# Altium PCB Copy of master.PcbDoc (part 4 of 7)
Units mm, origin at the board's own origin, x right, y up, seen from the top; angles counter-clockwise.
Board outline 160 x 120 mm, 6 copper layers (Top Signal, Top GND, Inner PWR, Inner Signal, Bottom GND, Bottom Signal), stack 1.571 mm thick; 553 components, 452 nets, 2073 pads, 879 vias.
Unrouted connection lines stored in the file: 269.
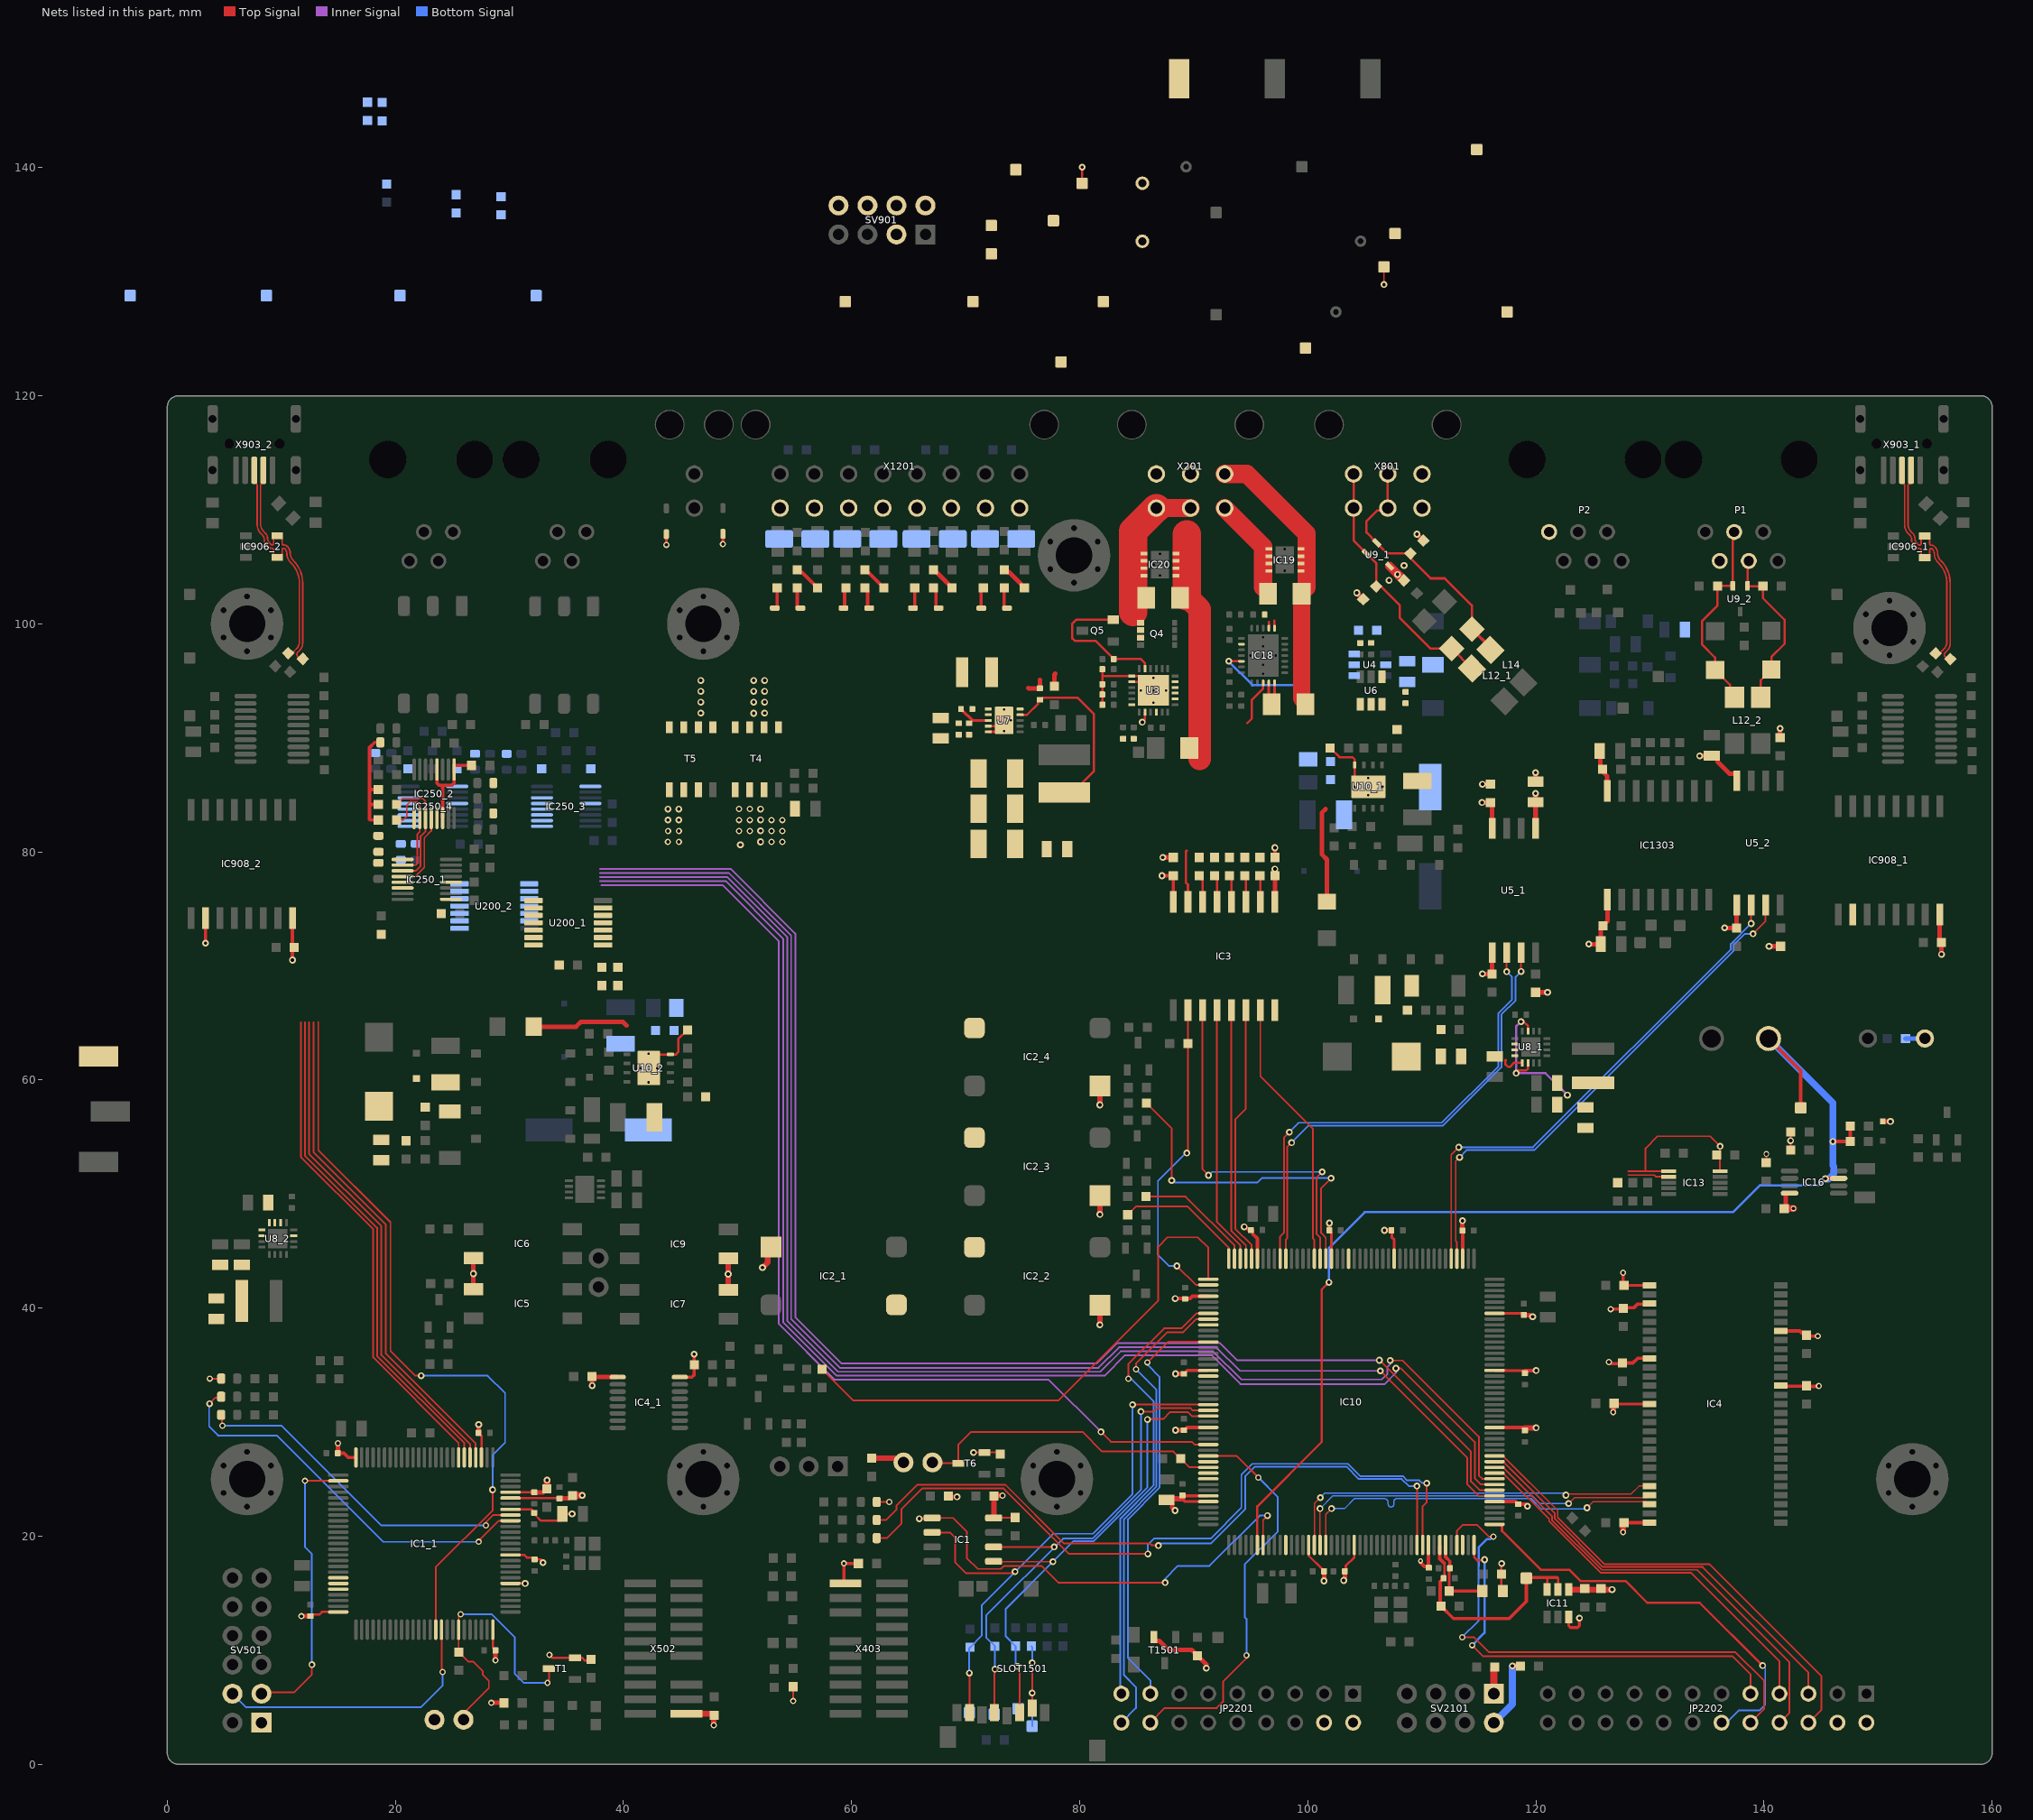
[diagram p8: the nets of this part, all layers, seen from the top]

## Via types
v1: diameter 0.6, hole 0.3, Top Signal to Bottom Signal, 679 vias
v2: diameter 0.55, hole 0.3, Top Signal to Bottom Signal, tented both sides, 125 vias
v3: diameter 0.45, hole 0.2, Top Signal to Bottom Signal, 31 vias
v4: diameter 0.5, hole 0.2, Top Signal to Bottom Signal, 16 vias
v5: diameter 0.5, hole 0.3, Top Signal to Bottom Signal, tented both sides, 13 vias
v6: diameter 0.55, hole 0.3, Top Signal to Bottom Signal, 10 vias
v7: diameter 0.6, hole 0.3, Top Signal to Bottom Signal, tented both sides, 4 vias
v8: diameter 0.5, hole 0.3, Top Signal to Bottom Signal, 1 vias

## Nets (pads, with @x,y where several pads share a name; then routed paths per layer and width w, separated by ;. In a path a pad name is that pad's centre, name@x,y a point inside that pad or via, vN(x,y) a via of type N, cw(c..) or ccw(c..) an arc to the next point about the centre after c; other vN are vias at no path point) (continued)
+3.3V_0: C6.1 C7_1.1 C37.2 C41.1 C42.1 C46.2 C48.1 C49.1 C52.1 C53.1 C54.1 C58.1 C62.1 C63.1 C64.1 C69.1 C74.1 C78.1 C80.1 C83.2 C84.1 C85.1 C86.1 C87.1 C92_1.2 C92_2.2 C93_1.2 C93_2.2 C96.1 C98.1 C99.1 C100.1 C101.1 C104.1 C105.1 C108.1 C119.1 C120.1 C200_1.2 C250_1.2 C250_2.2 C251_1.2 C251_2.2 C1303.1 D10.1 IC1.8 IC2_1.1 IC2_2.1 IC2_3.1 IC2_4.1 IC3.16 IC4.1 IC4.3 IC4.9 IC4.14 IC4.27 IC4.43 IC4.49 IC4_1.16 IC7.4 IC9.1 IC10.15 IC10.23 IC10.36 IC10.49 IC10.62 IC10.72 IC10.82 IC10.91 IC10.103 IC10.114 IC10.127 IC10.136 IC10.149 IC10.159 IC10.171 IC10.172 IC11.3 IC11.4 IC13.2 IC16.8 IC250_1.6 IC250_1.9 IC250_1.12 IC250_2.6 IC250_2.9 IC250_2.12 IC908_1.10 IC908_1.16 IC1303.1 JP200_1.2 JP201_1.2 JP202_1.2 JP203_1.2 JP2201.2 JP2201.4 JP2202.2 JP2202.4 L15.1 LED3.2 R27.2 R40.2 R41.2 R46.2 R68.1 R70.2 R72.2 R73.2 R200_1.2 R201_1.2 R202_1.2 R1501.2 SV2101.2 T6.2 T1501.2 TPi3.3v0.1 U5_1.1 U5_2.1 U200_1.14 X402.1 X403.1 | length 177.1
  Top Signal w0.15: v1(106.676,129.743) TPi3.3v0.1@106.676,131.307 ; 128.086,51.666 130.381,51.666 130.532,51.515 IC13.2@131.626,51.515 ; R70.2@140.179,52.742 140.21,52.772 v5(140.21,53.511) ; C108.1@141.762,48.73 C108.1@141.873,48.841 ; IC16.8@141.896,49.935 142.034,50.074 IC16.8@142.24,50.074 ; R72.2@142.343,53.867 142.346,53.87 R73.2@142.346,55.448
  Top Signal w0.152: v2(54.88,5.542) R27.2@54.88,6.756 ; LED3.2@62.25,23.004 v2(63.294,23.004) ; v1(70.691,27.34) 71.559,27.34 71.603,27.384 T6.2@71.647,27.34 72.887,27.34 R41.2@73.037,27.19 ; IC1.8@72.455,21.599 72.485,21.629 72.492,21.636 R46.2@74.331,21.636
  Top Signal w0.2: IC10.15@100.072,19.234 100.092,19.215 100.092,18.275 101.267,17.099 101.275,17.099 101.425,16.949 C62.1@101.425,16.924 C62.1@101.422,16.921 ; C64.1@103.333,16.835 103.333,17.409 104.072,18.148 IC10.23@104.072,19.234 ; C78.1@113.554,46.796 C78.1@113.572,46.778 ; v1@116.992,17.628 116.98,17.615 C80.1@116.98,16.662 116.98,15.1 L15.1@117.018,15.062
  Top Signal w0.25: 88.789,23.329 88.994,23.534 IC10.171@91.273,23.534 ; C49.1@88.885,34.239 89.005,34.119 89.42,34.534 IC10.149@91.273,34.534 ; 88.99,23.28 89.236,23.034 IC10.172@91.273,23.034 ; C63.1@101.887,46.817 102.072,46.632 IC10.114@102.072,44.334 ; C69.1@107.225,46.739 107.362,46.602 107.362,46.202 107.573,45.992 IC10.103@107.573,44.334 ; IC10.72@116.372,34.534 117.374,34.534 117.387,34.521 C87.1@119.024,34.521 ; IC10.82@116.372,39.534 C85.1@118.941,39.534 ; IC11.3@122.879,12.932 122.879,12.132 123.025,11.985 123.66,11.985 123.806,12.132 123.806,12.799 v1(123.82,12.813) v1@123.834,12.827 ; C98.1@126.788,31.596 126.796,31.596 IC4.14@129.966,31.596 ; C101.1@127.645,41.996 IC4.1@129.966,41.996
  Top Signal w0.3: 17.73,82.852 17.73,84.109 17.772,84.15 R201_1.2@18.504,84.15 ; 17.73,84.191 17.73,85.528 ; 17.789,82.793 R200_1.2@18.504,82.793 ; C251_2.2@18.504,85.459 17.799,85.459 17.73,85.528 ; JP202_1.2@18.68,89.606 18.18,89.606 17.73,89.157 17.73,85.528 ; IC250_2.12@23.643,87.219 23.643,86.026 23.819,85.85 24.143,85.85 ; IC250_2.6@24.143,82.969 24.143,85.85 ; C250_2.2@26.682,87.585 25.143,87.585 IC250_2.9@25.143,87.219 25.143,86.026 24.968,85.85 24.143,85.85 ; IC4_1.16@44.94,33.947 46,33.947 46.2,34.147 C37.2@46.2,35.027 v1(46.2,35.963) v1@46.204,35.966 ; v1(88.375,40.839) 89.681,40.839 89.876,41.034 IC10.136@91.273,41.034 ; C54.1@89.138,29.291 89.163,29.291 89.406,29.534 IC10.159@91.273,29.534 ; v1(94.422,47.124) 94.495,47.052 94.593,47.052 94.82,46.826 94.999,46.826 C58.1@95.012,46.84 ; C58.1@95.165,46.865 95.165,46.502 95.572,46.094 IC10.127@95.572,44.334 ; v3(109.889,17.825) 109.889,17.67 110.211,17.348 110.499,17.348 C74.1@110.572,17.275 ; C74.1@110.572,17.221 C74.1@110.572,17.275 ; IC10.36@110.572,19.234 C74.1@110.572,17.275 ; C74.1@110.612,17.236 C74.1@110.572,17.275 ; IC10.91@113.572,44.334 C78.1@113.572,46.778 ; IC10.49@116.372,23.034 118.225,23.034 C84.1@118.452,22.807 119.066,22.807 v1(119.248,22.625) ; IC10.62@116.372,29.534 v1@120.017,29.534 ; C87.1@119.024,34.521 v1(120.017,34.521) ; v2(126.386,35.268) 126.386,35.186 126.437,35.135 C104.1@127.481,35.135 ; v2(126.549,39.909) C105.1@127.66,39.909 ; v2(126.771,30.886) v2@126.796,30.861 ; C98.1@126.78,31.644 C98.1@126.796,31.628 ; C104.1@127.445,35.099 C104.1@127.481,35.135 ; C104.1@127.575,35.163 127.548,35.135 C104.1@127.481,35.135 ; C100.1@127.645,21.196 IC4.27@129.966,21.196 ; C101.1@127.645,41.996 v2(127.645,43.107) ; C105.1@127.742,39.899 127.87,40.027 128.585,40.027 128.916,40.357 129.928,40.357 IC4.3@129.966,40.396 ; IC4.9@129.966,35.596 128.912,35.596 128.5,35.184 127.529,35.184 C104.1@127.481,35.135 ; IC4.43@141.466,33.196 141.507,33.155 143.442,33.155 C119.1@143.482,33.196 ; IC4.49@141.466,37.996 143.142,37.996 143.595,37.542 143.642,37.542 143.645,37.544 144.701,37.544 v2(144.704,37.542) ; C119.1@143.711,33.114 143.736,33.139 144.781,33.139 v2(144.805,33.164)
  Top Signal w0.305: X403.1@59.465,15.861 59.325,16 v2(59.325,17.607) C41.1@60.589,17.607 C41.1@60.664,17.607
  Top Signal w0.4: R40.2@68.39,23.532 R40.2@68.491,23.532 68.578,23.444 v1(69.24,23.444) ; T1501.2@86.518,11.162 86.518,10.937 86.618,10.837 86.952,10.837 87.744,10.045 89.81,10.045 R1501.2@90.328,9.528 91.101,8.755 v1(91.101,8.43) ; C48.1@87.605,23.179 87.855,23.179 88.105,22.929 88.105,22.509 v1(88.363,22.251) ; v1(88.404,29.291) C54.1@89.138,29.291 ; v1(88.404,34.239) C49.1@88.885,34.239 ; v1(101.422,16.078) C62.1@101.422,16.921 ; C63.1@101.887,46.817 v1(101.887,47.45) ; v1(103.142,16.121) 103.142,16.175 103.243,16.276 C64.1@103.243,16.916 ; v1(106.713,46.817) C69.1@107.329,46.817 ; C78.1@113.554,46.796 v1(113.554,47.659) ; v1(115.313,69.299) C93_1.2@116.159,69.299 U5_1.1@116.159,71.165 ; C85.1@118.941,39.393 118.967,39.367 119.515,39.367 119.71,39.172 v1(119.71,39.243) ; C92_1.2@119.969,67.683 v1(121.02,67.683) ; v1(124.637,71.918) 124.648,71.907 C6.1@125.682,71.907 125.682,73.339 C1303.1@125.872,73.528 126.261,73.918 IC1303.1@126.261,75.833 ; v1(136.552,73.339) 136.571,73.32 C93_2.2@137.579,73.32 137.597,73.337 U5_2.1@137.597,75.333 ; v1(140.442,71.72) C92_2.2@141.452,71.72 ; C108.1@141.896,48.73 IC16.8@141.896,49.935 ; D10.1@150.413,56.362 v1(151.079,56.362) ; IC908_1.16@155.399,74.513 155.399,72.211 C7_1.1@155.562,72.049 v1(155.562,71.018)
  Top Signal w0.5: IC7.4@49.181,41.602 IC9.1@49.181,44.356 ; v1(52.184,43.552) 52.636,44.004 52.636,45.068 IC2_1.1@52.929,45.361 ; C42.1@61.747,26.84 63.835,26.84 64.21,26.465 X402.1@64.548,26.465 ; C46.2@72.41,23.515 72.45,23.555 v2(73.231,23.555) ; IC1.8@72.485,21.629 C46.2@72.485,23.515 ; v1(81.77,38.534) IC2_2.1@81.77,40.253 ; IC2_3.1@81.77,49.867 v1(81.77,48.212) v1@81.799,48.184 ; IC2_4.1@81.77,59.481 v1(81.77,57.813) v1@81.799,57.785 ; C48.1@87.383,23.28 88.99,23.28 ; v1(117.935,8.631) 117.937,8.63 118.671,8.63 C83.2@118.704,8.597 ; C86.1@119.024,29.495 v1(120.017,29.495) ; IC11.4@122.879,15.332 122.89,15.32 v1(126.676,15.32) ; v2@126.796,30.861 126.796,31.596 C98.1@126.796,31.628 ; v2(127.645,20.36) C100.1@127.645,21.196
  Top Signal w0.6: C108.1@141.896,48.73 v5(142.579,48.73)
  Bottom Signal w0.5: v1@117.935,8.593 117.955,8.612 v1(117.935,8.631)
  Bottom Signal w0.61: SV2101.2@116.31,3.16 SV2101.2@116.31,3.65 116.31,3.656 117.935,5.281 v1@117.935,8.593
  other v1: 116.992,17.602 49.181,42.979 142.331,54.685
+3.3V_0+: 2_1.2 C14_1.1 C16_1.1 R68.2 U8_1.7 U8_1.14 | length 13
  Top Signal w0.2: v1(118.261,60.593) 118.261,60.72 118.381,60.841 119.152,60.841 119.307,60.996 U8_1.14@119.307,61.495 ; v1(118.687,65.112) 118.934,65.112 119.307,64.739 U8_1.7@119.307,64.295
  Inner Signal w0.2: v1(118.687,65.112) 118.261,64.685 v1(118.261,60.593) 120.839,60.593 v1(122.758,58.674)
+3.3V_0_IN: C102.1 IC13.1 IC13.10 | length 15.1
  Top Signal w0.15: 128.086,52.015 129.582,52.015 ; IC13.1@131.626,52.015 129.582,52.015 ; IC13.10@136.144,52.002 v1(136.144,54.183) 135.264,55.063 130.656,55.063 129.608,54.015 129.608,52.04 129.582,52.015
+3.3V_1: C7_2.1 C9.1 C11.1 C20.1 C21.1 C25.1 C26.1 C27.1 C28.1 C29.1 C31.1 C32.1 C34.1 C44.1 C200_2.2 C250_3.2 C250_4.2 C251_3.2 C251_4.2 IC1_1.6 IC1_1.11 IC1_1.19 IC1_1.21 IC1_1.22 IC1_1.28 IC1_1.50 IC1_1.75 IC1_1.100 IC4_1.1 IC5.1 IC6.4 IC250_3.6 IC250_3.9 IC250_3.12 IC250_4.6 IC250_4.9 IC250_4.12 IC908_2.10 IC908_2.16 JP200_2.2 JP201_2.2 JP202_2.2 JP203_2.2 LED6.2 R2.1 R5.2 R9.2 R200_2.2 R201_2.2 R202_2.2 SV501.1 T1.2 TPi3.3v1.1 U200_2.14 X501.1 X502.1 | length 55.6
  Top Signal w0.152: v2(3.727,33.818) LED6.2@4.676,33.818 ; v2(14.961,28.157) v2@15.149,28.157
  Top Signal w0.2: C9.1@12.622,12.979 12.622,13.085 12.672,13.135 13.355,13.135 13.574,13.354 IC1_1.75@14.993,13.354 ; C20.1@27.287,29.062 27.287,29.037 27.542,28.782 IC1_1.28@27.542,26.904 ; IC1_1.6@30.092,15.854 31.358,15.854 v1@31.38,15.832 ; IC1_1.11@30.092,18.354 31.3,18.354 31.531,18.122 32.041,18.122 C27.1@32.206,17.957 32.791,17.957 v1@32.944,17.805 ; IC1_1.19@30.092,22.354 31.933,22.354 32.226,22.06 32.226,21.875 32.747,21.354 34.447,21.354 34.635,21.541 C31.1@34.635,21.953 ; IC1_1.21@30.092,23.354 C32.1@34.42,23.354 ; IC1_1.22@30.092,23.854 32.175,23.854 C26.1@32.186,23.843 ; v1(31.377,15.854) v1@31.383,15.854 ; v1(32.944,17.686) v1@32.944,17.805 ; v1@32.944,17.88 v1@32.944,17.805 ; C28.1@32.975,23.843 C28.1@33.284,24.152 ; v1@33.056,17.717 33.031,17.717 v1@32.944,17.805 ; v1@33.284,24.9 v1(33.296,24.912) v1@33.309,24.925 ; C31.1@34.635,21.979 C31.1@34.635,21.953 ; C34.1@35.238,23.333 C34.1@35.484,23.579 ; v1@35.509,21.953 v1(35.494,21.953) C31.1@34.64,21.953 C31.1@34.635,21.953 ; TPi3.3v1.1@80.206,138.622 v1(80.206,140.044)
  Top Signal w0.203: IC1_1.100@28.542,11.804 28.542,10.226 C21.1@28.781,9.988 ; v2(33.496,9.591) 33.737,9.35 T1.2@35.758,9.35 36.346,9.35 36.596,9.1 R9.2@37.148,9.1
  Top Signal w0.3: v1(3.349,71.999) IC908_2.10@3.349,74.193 ; v1(10.969,70.51) IC908_2.16@10.969,74.193 ; C11.1@14.964,27.279 15.499,27.279 15.874,26.904 IC1_1.50@16.543,26.904
  Top Signal w0.4: v2@11.762,12.979 C9.1@12.622,12.979 ; C11.1@14.964,27.279 v2@14.964,28.154 ; IC5.1@26.833,41.655 IC6.4@26.833,44.38 ; C20.1@27.287,29.062 27.287,29.771 v1(27.303,29.787) ; v2(28.416,5.384) R5.2@29.471,5.384 ; v2(28.781,9.111) C21.1@28.781,9.988 ; C26.1@32.186,23.843 C28.1@32.975,23.843 ; C32.1@34.392,23.333 C34.1@35.238,23.333 ; C29.1@37.221,34.07 37.269,34.022 37.344,33.947 IC4_1.1@39.49,33.947 ; C29.1@37.233,33.997 37.233,33.215 v1@37.258,33.19
  Top Signal w0.5: X502.1@46.115,4.43 46.124,4.421 47.914,4.421 47.954,4.38 47.92,4.345 47.92,3.437 v2(47.911,3.428)
  Top Signal w0.6: C28.1@33.284,24.152 v1@33.284,24.9 ; C34.1@35.484,23.579 v1(36.384,23.579)
  Top Signal w0.7: C29.1@37.233,33.997 37.258,34.022 C29.1@37.269,34.022
  other v1: 37.245,33.203 26.833,43.017
  other v2: 11.761,12.98
+3.3V_1+: 2_2.2 C14_2.1 C16_2.1 R2.2 U8_2.7 U8_2.14
+3.3V_COM: C2.1 C90_2.1 C94_2.2 C1302.1 IC1303.16 P1.5 P2.6 R88.1 U5_2.8 | length 9.3
  Top Signal w0.4: C2.1@125.387,88.838 125.387,88.588 125.639,88.336 125.639,87.238 126.253,86.624 126.253,85.341 IC1303.16@126.261,85.333 ; v1(134.354,88.412) 135.401,88.412 C90_2.1@135.419,88.43 135.669,88.43 135.919,88.18 135.919,87.911 136.972,86.857 137.497,86.857 137.597,86.757 U5_2.8@137.597,86.233 ; C94_2.2@141.407,90.025 v1(141.407,90.835)
+3.3v_in: C50.1 C56.1 C72.2 C90_1.1 C94_1.2 IC3.1 L14.2 R50.2 R51.2 R52.2 R53.2 R71.1 R78.2 R85.2 R87.2 R89.2 R91.2 U4.2 U5_1.8 U6.1 X801.3 | length 7.7
  Top Signal w0.4: v1(87.284,79.513) C50.1@88.2,79.513 ; IC3.1@97.108,75.611 97.133,75.635 C56.1@97.133,77.913 97.119,77.927 v1(97.119,78.494) ; v1(115.27,84.331) C94_1.2@116.012,84.331 116.159,84.183 U5_1.8@116.159,82.065 ; C90_1.1@119.969,86.157 v1(119.969,86.946)
+5.0V_0: C13_1.1 C79.1 LS1.1 R13.1 R61.2 R65.2 SV2101.1 U8_1.10 U8_1.11 U8_1.12 U8_1.13 | length 6
  Top Signal w0.2: 117.337,61.749 117.337,61.701 117.336,61.699 117.336,61.369 117.553,61.152 117.719,61.152 118.062,61.495 U8_1.13@118.807,61.495
  Top Signal w0.6: SV2101.1@116.31,6.19 C79.1@116.31,8.418
  Bottom Signal w0.4: R61.2@152.405,63.637 LS1.1@154.105,63.637
+5.0V_0+: C51_1.1 C55_1.1 C95_1.1 D7_1.1 D15_1.1 R13.2 R93_1.1 TPi5_0.1
+5.0V_1: C13_2.1 R74.1 U8_2.10 U8_2.11 U8_2.12 U8_2.13
+5.0V_1+: C51_2.1 C55_2.1 C95_2.1 D7_2.1 D15_2.1 R74.2 R93_2.1 TPi5_1.1
+9-30V_IN_1: C17.2 C18.2 C24_1.1 C24_2.1 C113.2 C114.2 C121.2 IC18.23 IC18.24 L1_1.1 L1_2.1 R99.2 SV901.3 TPeEX0.1 TPeSUP0.1 U7.8 | length 8.1
  Top Signal w0.225: C121.2@96.578,92.17 96.578,92.219 96.578,94.411 96.582,94.415 IC18.23@96.582,94.817 ; C121.2@97.082,92.17 IC18.24@97.082,94.817
  Top Signal w0.25: R99.2@69.588,92.526 69.588,92.501 69.713,92.376 69.738,92.376 70.588,91.526 U7.8@71.973,91.526
+Vbat_0: BT400.1 IC10.6 IC16.3 R75.2 R76.2 TPvBat0.1 | length 101.2
  Top Signal w0.2: IC10.6@95.572,19.234 95.572,22.623 101.219,28.269 101.219,41.626 v1(101.854,42.261)
  Top Signal w0.3: BT400.1@140.397,63.637 143.213,60.821 TPvBat0.1@143.213,57.558 ; v1@145.435,51.374 IC16.3@146.54,51.374 ; v1(146.033,54.605) R76.2@147.556,54.605 R75.2@147.556,56.065
  Bottom Signal w0.2: v1(101.854,42.261) 101.854,45.278 104.988,48.412 137.291,48.412 139.655,50.777 ; 139.667,50.764 144.825,50.764 145.384,51.323 v1(145.384,51.348)
  Bottom Signal w0.6: BT400.1@140.397,63.637 146.033,58 v1(146.033,54.605) 146.033,52.501 146.111,52.423 146.111,51.784 145.65,51.323 v1@145.384,51.323
+Vdda_0: C73.1 C76.1 IC10.39 L15.2 | length 7.2
  Top Signal w0.152: IC10.39@112.073,19.03 IC10.39@112.076,19.034
  Top Signal w0.2: IC10.39@112.073,19.03 IC10.39@112.073,19.234 ; C73.1@112.37,15.215 C73.1@112.395,15.24 ; C76.1@112.395,17.128 C76.1@112.446,17.178 ; C76.1@112.446,17.17 C76.1@112.446,17.178 ; C76.1@112.463,17.196 C76.1@112.446,17.178 ; L15.2@115.305,15.189 L15.2@115.316,15.189
  Top Signal w0.25: C73.1@112.395,15.24 C76.1@112.395,17.128
  Top Signal w0.3: IC10.39@112.073,19.03 112.073,18.179 112.446,17.805 C76.1@112.446,17.178 ; C73.1@112.408,15.189 L15.2@115.305,15.189
+Vref_0: C75.1 C77.1 IC10.38 IC11.5 IC11.6 TPvRef0.1 | length 21.1
  Top Signal w0.2: C77.1@111.725,16.132 111.745,16.132 111.895,16.282 C77.1@111.895,16.307 ; C77.1@111.963,16.332 111.963,17.628 ; 120.953,16.383 120.979,16.358 ; IC11.6@120.979,15.332 120.979,16.358 ; 120.979,16.383 120.979,16.358 ; 120.98,16.358 120.979,16.358 ; 121.844,16.383 121.929,16.298 IC11.5@121.929,15.332
  Top Signal w0.25: 111.608,16.015 C77.1@111.725,16.132
  Top Signal w0.3: IC10.38@111.572,19.234 111.572,18.018 111.963,17.628 ; C75.1@111.608,13.868 111.608,16.015 ; C75.1@111.671,13.868 112.763,12.776 117.653,12.776 119.151,14.275 TPvRef0.1@119.151,16.317 ; TPvRef0.1@119.156,16.383 120.953,16.383 ; 120.979,16.383 121.844,16.383
ADC_MCU_0_CH_0: IC10.54 JP2202.7 | length 34.8
  Top Signal w0.152: IC10.54@116.372,25.534 117.122,25.534 121.153,21.503 121.153,21.313 125.669,16.796 133.572,16.796 141.352,9.016 JP2202.7@141.352,6.19
ADC_MCU_0_CH_1: IC10.55 JP2202.8 | length 38.8
  Top Signal w0.15: IC10.55@116.372,26.034 117.122,26.034 121.404,21.752 121.404,21.417 125.773,17.047 134.133,17.047 142.227,8.954 142.227,4.525 JP2202.8@141.352,3.65
ADC_MCU_0_CH_2: IC10.56 JP2202.5 | length 37.3
  Top Signal w0.15: IC10.56@116.372,26.534 117.122,26.534 121.654,22.002 121.654,21.52 125.877,17.297 134.614,17.297 143.892,8.02 143.892,6.298 JP2202.5@144,6.19
ADC_MCU_0_CH_3: IC10.57 JP2202.6 | length 41.6
  Top Signal w0.15: IC10.57@116.372,27.034 117.122,27.034 121.904,22.252 121.904,21.624 125.981,17.547 135.183,17.547 145.034,7.696 145.034,4.792 JP2202.6@143.892,3.65
ADC_MCU_0_CH_4: IC10.41 JP2202.10 | length 47.5
  Top Signal w0.152: IC10.41@113.073,19.234 113.073,20.473 113.598,20.999 114.837,20.999 115.887,19.95 v6(116.276,19.95) ; v2(113.543,11.137) 114.567,11.137 115.875,9.83 137.49,9.83 140.017,7.302 140.017,4.856 JP2202.10@138.812,3.65 JP2202.10@138.81,3.648
  Bottom Signal w0.152: v2@113.538,11.137 114.981,12.581 114.981,17.37
  Bottom Signal w0.2: 114.981,17.37 114.981,17.707 114.969,17.719 114.969,19.008 115.69,19.73 115.984,19.73 116.204,19.95 v6(116.276,19.95)
BMS-INTERFACE_0_GPIO_0: IC10.42
BMS-INTERFACE_0_GPIO_1: IC10.167
BMS-INTERFACE_0_GPIO_2: IC10.168
BMS-INTERFACE_0_GPIO_3: IC10.162 R203_1.1 | length 93
  Top Signal w0.152: v1(81.86,29.14) 82.73,28.269 89.844,28.269 90.079,28.034 IC10.162@91.072,28.034
  Inner Signal w0.152: 38.076,77.089 48.689,77.089 53.6,72.178 53.6,38.631 58.514,33.717 77.283,33.717 v1(81.86,29.14)
BMS-INTERFACE_0_SPI_CS: IC10.50 U200_1.4 U200_1.5 | length 123.6
  Top Signal w0.15: v1(106.358,34.496) 113.987,26.866 113.987,24.537 114.991,23.534 IC10.50@116.372,23.534
  Inner Signal w0.15: 37.959,78.148 49.232,78.148 54.695,72.685 54.695,39.042 58.969,34.768 81.654,34.768 83.45,36.564 88.991,36.564 91.98,36.564 94.049,34.496 v1(106.358,34.496)
BMS-INTERFACE_0_SPI_MISO: IC10.52 IC250_1.3 IC250_2.3 R201_1.1 | length 135.2
  Top Signal w0.15: R201_1.1@20.104,84.15 20.645,84.692 22.368,84.692 22.643,84.417 IC250_2.3@22.643,82.969 22.643,81.813 22.212,81.382 22.212,78.77 21.783,78.341 IC250_1.3@20.624,78.341 ; v1(107.723,34.711) 108.178,34.711 114.634,28.254 114.634,25.084 115.184,24.534 IC10.52@116.372,24.534
  Inner Signal w0.15: 37.959,77.448 48.942,77.448 53.995,72.395 53.995,38.752 58.679,34.068 82.189,34.068 83.985,35.864 88.701,35.864 ; 88.701,35.864 91.549,35.864 94.08,33.333 106.739,33.333 107.723,34.317 v1(107.723,34.711)
BMS-INTERFACE_0_SPI_MOSI: IC10.53 IC250_1.2 IC250_2.2 R200_1.1 | length 135.4
  Top Signal w0.15: R200_1.1@20.104,82.793 20.688,82.793 20.993,83.099 20.993,84.113 21.297,84.417 21.896,84.417 22.143,84.169 IC250_2.2@22.143,82.969 22.143,81.772 21.934,81.563 21.934,78.991 21.784,78.841 IC250_1.2@20.624,78.841 ; v1(107.222,35.402) 108.304,35.402 109.053,34.653 109.063,34.653 114.991,28.725 114.991,25.337 115.293,25.034 IC10.53@116.372,25.034
  Inner Signal w0.15: 37.959,77.798 49.087,77.798 54.345,72.54 54.345,38.897 58.824,34.418 81.799,34.418 83.595,36.214 88.846,36.214 91.694,36.214 94.161,33.747 106.493,33.747 106.983,34.237 106.983,34.855 107.222,35.095 v1(107.222,35.402)
BMS-INTERFACE_0_SPI_SCK: IC10.51 IC250_1.4 IC250_2.4 | length 130.5
  Top Signal w0.15: IC250_1.4@20.624,77.841 21.739,77.841 22.537,78.639 22.537,81.234 23.143,81.84 IC250_2.4@23.143,82.969 ; v1(106.272,35.428) 114.293,27.407 114.293,24.799 115.058,24.034 IC10.51@116.372,24.034
  Inner Signal w0.15: 37.959,78.52 49.386,78.52 55.067,72.839 55.067,39.196 59.123,35.14 81.479,35.14 83.253,36.914 92.298,36.914 93.785,35.428 v1(106.272,35.428)
BMS-INTERFACE_1_GPIO_0: IC1_1.69
BMS-INTERFACE_1_GPIO_1: IC1_1.70
BMS-INTERFACE_1_GPIO_2: IC1_1.71
BMS-INTERFACE_1_GPIO_3: IC1_1.90 R203_2.1 | length 66.3
  Top Signal w0.152: 13.239,65.077 13.239,53.858 19.567,47.53 19.567,36.246 21.743,34.07 v1(22.259,34.07) ; IC1_1.90@23.542,11.804 23.542,17.296 28.537,22.29 28.537,24.052 v1(28.519,24.07)